# KiCad board Kristerj.kicad_pcb
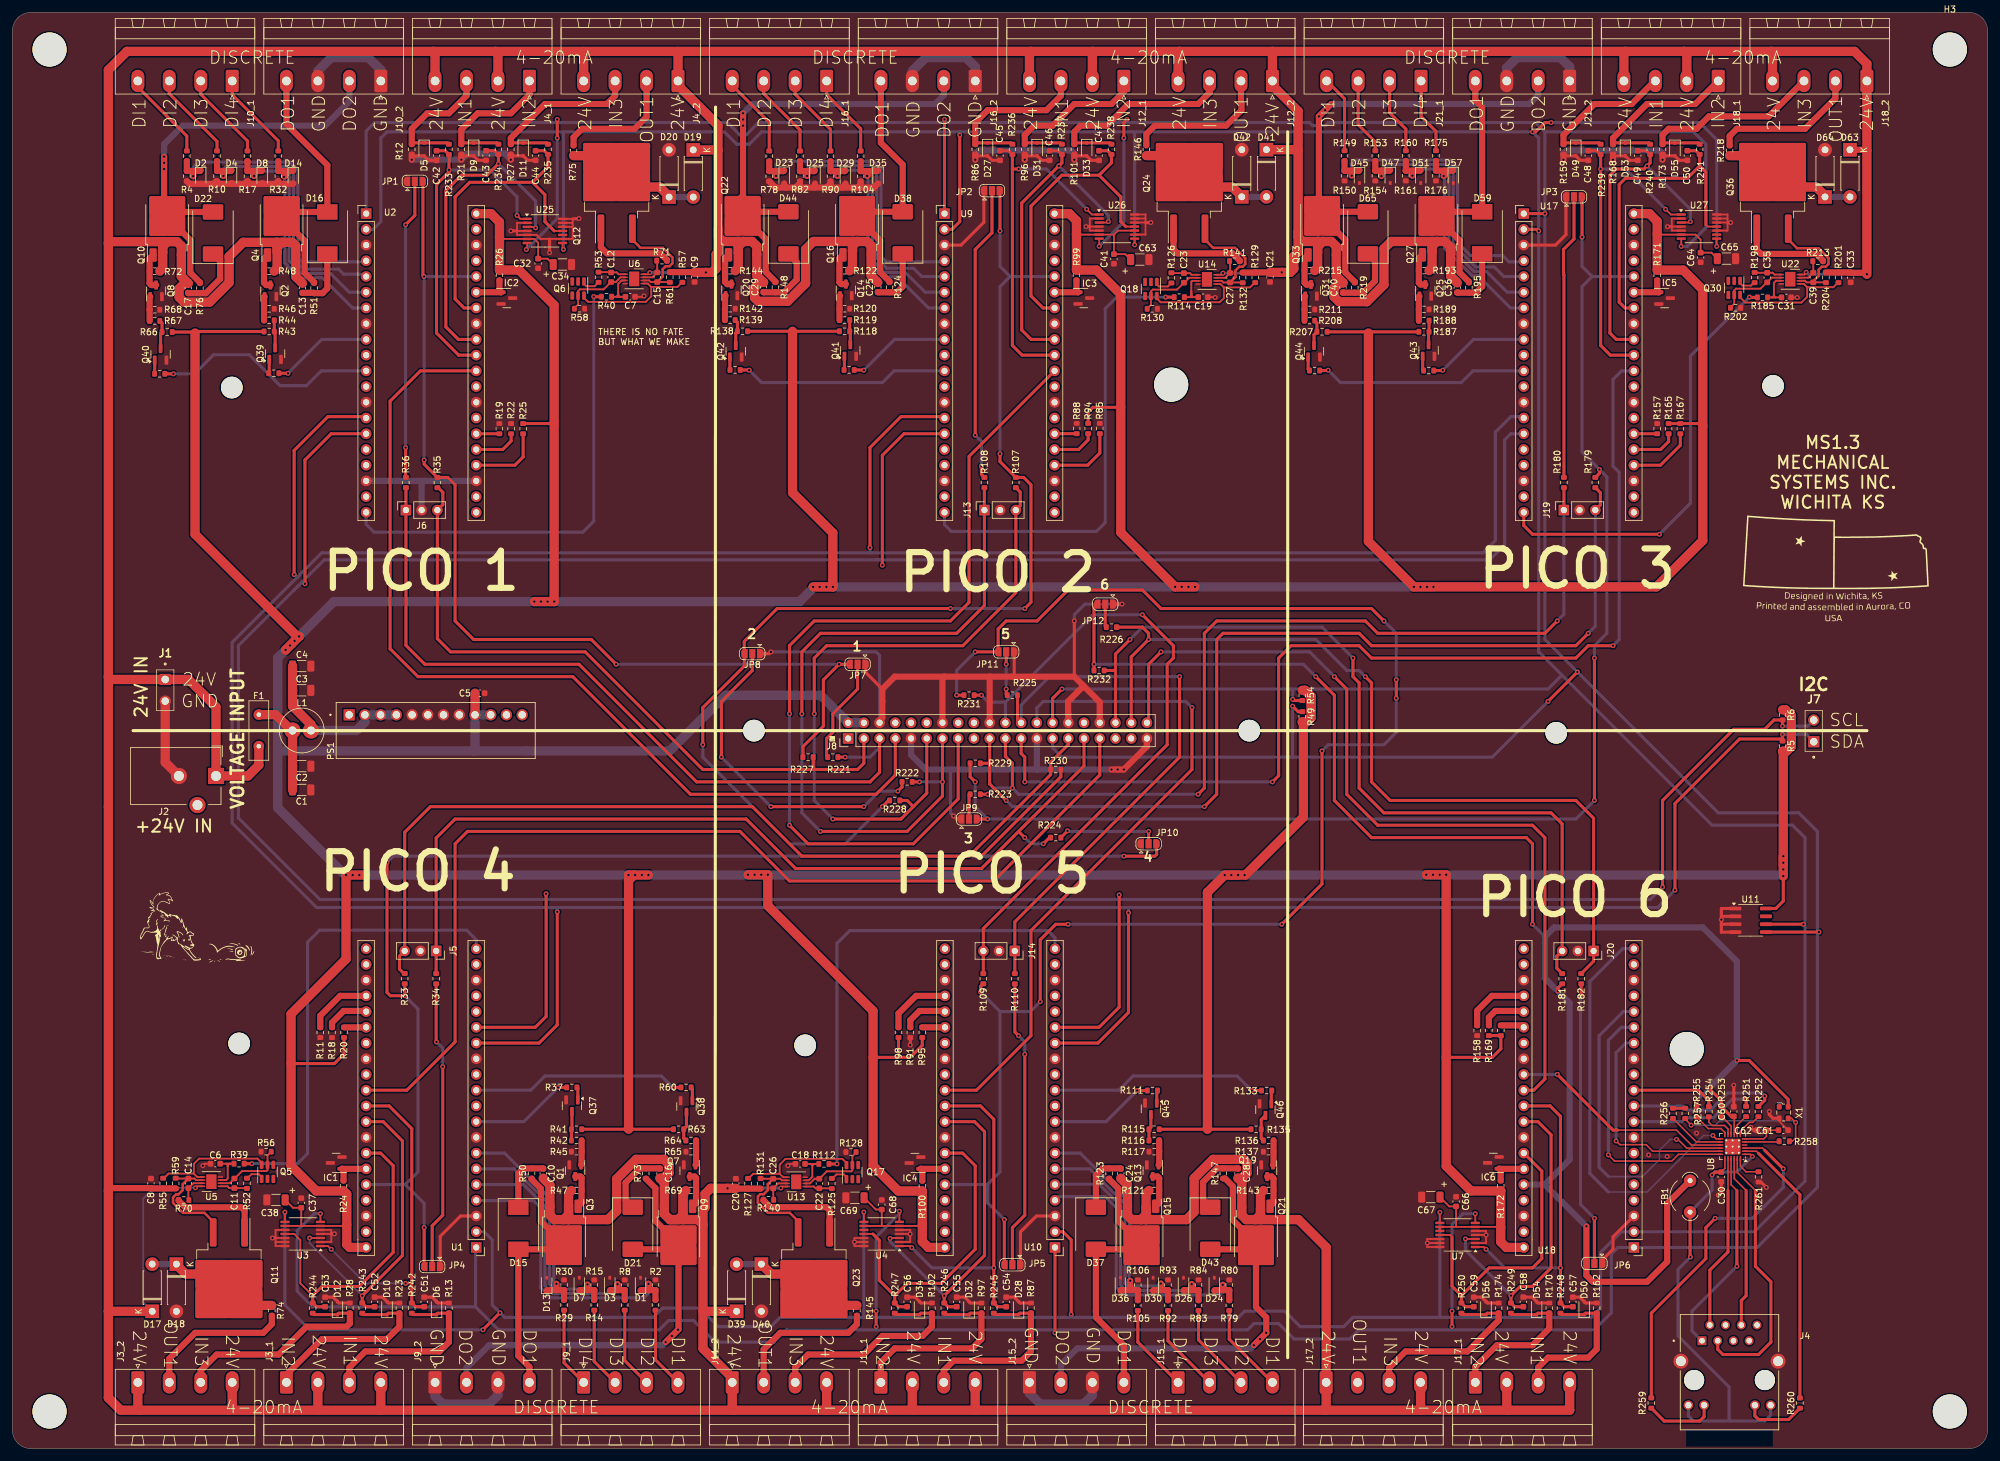
[diagram p0: board, top side]
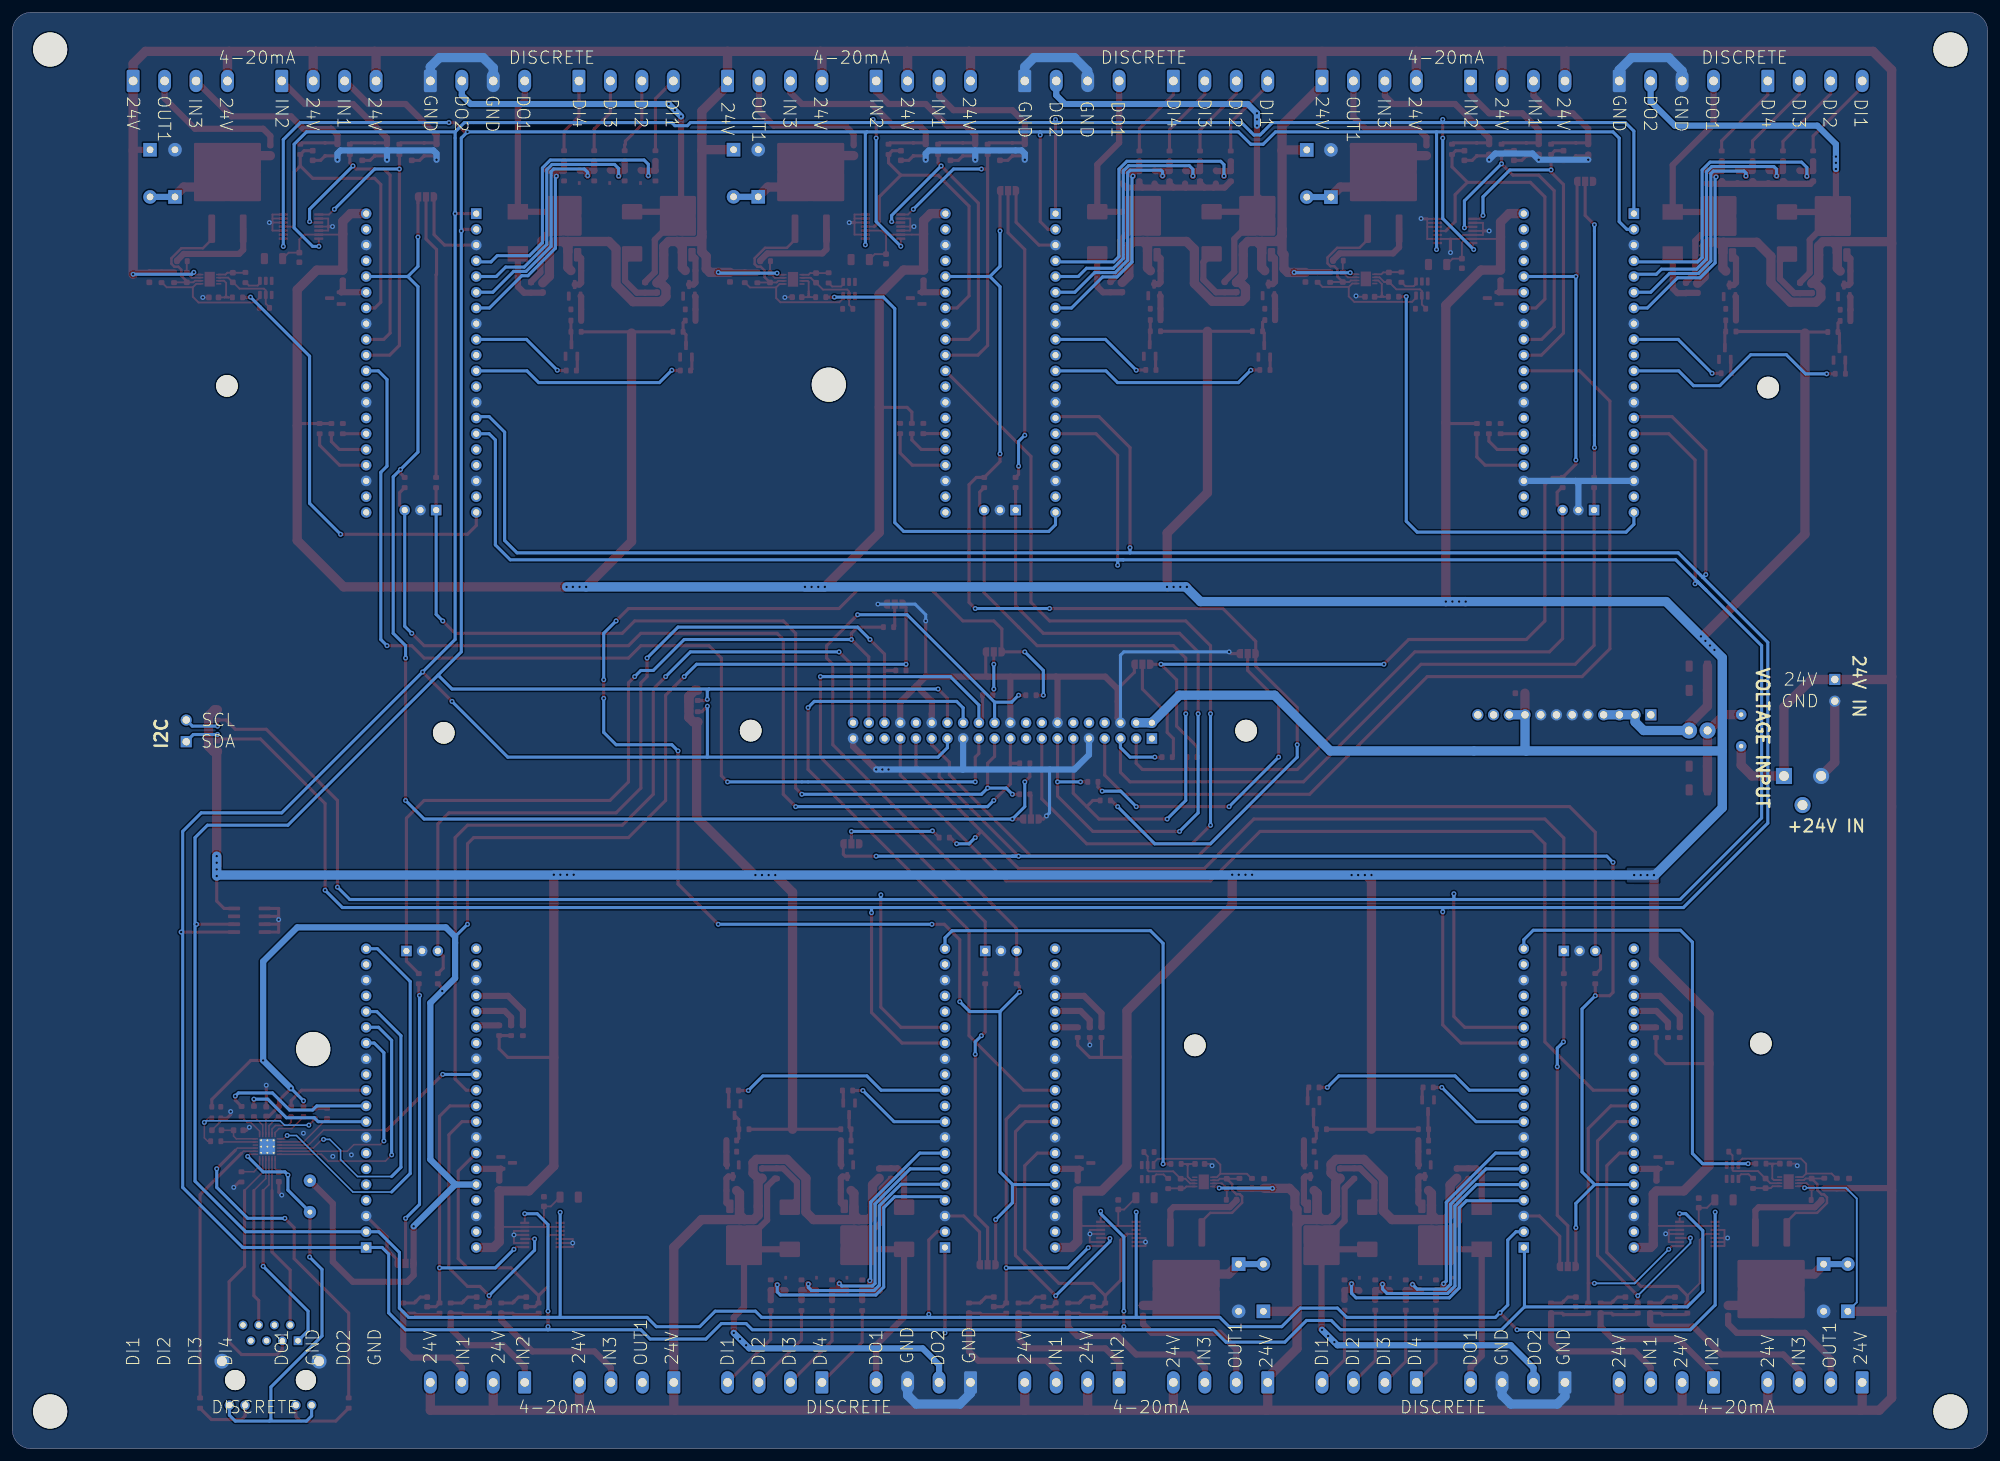
[diagram p1: board, bottom side, seen from below]

Outline 319 x 232 mm; copper layers: Top, Bottom. Coordinates in mm from the lower left corner of the outline.
Outline path: 0,229 0,3 arc(0.88,0.88) 3,0 316,0 arc(318.12,0.88) 319,3 319,229 arc(318.12,231.12) 316,232 3,232 arc(0.88,231.12) 0,229
Stack: Top 0.035mm / dielectric 1.51mm FR4 er 4.5 / Bottom 0.035mm

## Placement (name value [footprint] x y rotation side)
C1  47uF  [C_1206_3216Metric]  46.72 106.41 180 top
C2  47uF  [C_1206_3216Metric]  46.72 110.24 180 top
C3  47uF  [C_1206_3216Metric]  46.72 122.48 180 top
C4  47uF  [C_1206_3216Metric]  46.72 126.41 180 top
C5  22uF  [C_0603_1608Metric]  75.5 122.02 180 top
C6  100nF  [C_0603_1608Metric]  32.78 46.02 180 top
C7  100nF  [C_0603_1608Metric]  99.78 186.06 0 top
C8  1uF  [C_0603_1608Metric]  22.38 42.85 90 top
C9  1uF  [C_0603_1608Metric]  110.18 189.22 270 top
C10  0.01uF  [C_0603_1608Metric]  85.73 44.45 270 top
C11  220pF  [C_0603_1608Metric]  35.86 42.85 90 top
C12  220pF  [C_0603_1608Metric]  96.69 189.22 270 top
C13  0.01uF  [C_0603_1608Metric]  46.84 187.47 90 top
C14  220pF  [C_0603_1608Metric]  28.42 42.85 270 top
C15  220pF  [C_0603_1608Metric]  104.13 189.22 90 top
C16  0.01uF  [C_0603_1608Metric]  104.59 44.45 270 top
C17  0.01uF  [C_0603_1608Metric]  28.38 187.46 90 top
C18  100nF  [C_0603_1608Metric]  127.23 45.99 180 top
C19  100nF  [C_0603_1608Metric]  192.29 186 0 top
C20  1uF  [C_0603_1608Metric]  116.84 42.82 90 top
C21  1uF  [C_0603_1608Metric]  203.11 189.23 270 top
C22  220pF  [C_0603_1608Metric]  130.31 42.82 90 top
C23  220pF  [C_0603_1608Metric]  189.2 189.11 270 top
C24  0.01uF  [C_0603_1608Metric]  179 44.45 270 top
C25  0.01uF  [C_0603_1608Metric]  139.77 187.6 90 top
C26  220pF  [C_0603_1608Metric]  122.88 42.82 270 top
C27  220pF  [C_0603_1608Metric]  196.64 189.14 90 top
C28  0.01uF  [C_0603_1608Metric]  197.94 44.45 270 top
C29  0.01uF  [C_0603_1608Metric]  121.31 187.6 90 top
C30  .022uF  [C_0603_1608Metric]  275.97 43.89 90 top
C31  100nF  [C_0603_1608Metric]  286.49 185.96 0 top
C32  100nF  [C_0603_1608Metric]  84.91 191.44 270 top
C33  1uF  [C_0603_1608Metric]  296.88 189.17 270 top
C34  C_Polarized_US  [C_1206_3216Metric]  88.82 191.27 0 top
C35  220pF  [C_0603_1608Metric]  283.4 189.17 270 top
C36  0.01uF  [C_0603_1608Metric]  233.35 187.54 90 top
C37  100nF  [C_0603_1608Metric]  46.66 39.69 90 top
C38  C_Polarized_US  [C_1206_3216Metric]  42.57 40.18 180 top
C39  220pF  [C_0603_1608Metric]  290.84 189.17 90 top
C40  0.01uF  [C_0603_1608Metric]  214.9 187.54 90 top
C41  100nF  [C_0603_1608Metric]  177.9 192.17 270 top
C42  100nF  [C_0603_1608Metric]  68.5 208.88 270 top
C43  100nF  [C_0603_1608Metric]  76.5 208.88 270 top
C44  100nF  [C_0603_1608Metric]  84.5 208.88 270 top
C45  100nF  [C_0603_1608Metric]  159.5 208.88 270 top
C46  100nF  [C_0603_1608Metric]  167.5 208.88 270 top
C47  100nF  [C_0603_1608Metric]  175.5 208.88 270 top
C48  100nF  [C_0603_1608Metric]  254.5 208.88 270 top
C49  100nF  [C_0603_1608Metric]  262.5 208.88 270 top
C50  100nF  [C_0603_1608Metric]  270.5 208.88 270 top
C51  100nF  [C_0603_1608Metric]  66.5 23.7 90 top
C52  100nF  [C_0603_1608Metric]  58.5 23.7 90 top
C53  100nF  [C_0603_1608Metric]  50.5 23.7 90 top
C54  100nF  [C_0603_1608Metric]  160.5 23.7 90 top
C55  100nF  [C_0603_1608Metric]  152.5 23.7 90 top
C56  100nF  [C_0603_1608Metric]  144.5 23.7 90 top
C57  100nF  [C_0603_1608Metric]  252.01 23.7 90 top
C58  100nF  [C_0603_1608Metric]  244.01 23.7 90 top
C59  100nF  [C_0603_1608Metric]  236.01 23.7 90 top
C60  100nF  [C_0603_1608Metric]  278 54.44 90 top
C61  1uF  [C_0603_1608Metric]  286 51.44 0 top
C62  470pF  [C_0603_1608Metric]  282.5 51.43 0 top
C63  T491A106K010AT  [C_1206_3216Metric]  182.07 192.07 0 top
C64  100nF  [C_0603_1608Metric]  272.65 192.41 270 top
C65  T491A106K010AT  [C_1206_3216Metric]  276.82 192.22 0 top
C66  100nF  [C_0603_1608Metric]  233.15 39.9 90 top
C67  T491A106K010AT  [C_1206_3216Metric]  229.07 40.62 180 top
C68  100nF  [C_0603_1608Metric]  140.4 39.39 90 top
C69  T491A106K010AT  [C_1206_3216Metric]  136.07 40.52 180 top
D1  3.9V  [D_SOD-323]  101.45 26.55 90 top
D2  3.9V  [D_SOD-323]  30.41 205.44 270 top
D3  3.9V  [D_SOD-323]  96.48 26.55 90 top
D4  3.9V  [D_SOD-323]  35.39 205.44 270 top
D5  3.9V  [D_SOD-323]  66.5 209.88 270 top
D6  3.9V  [D_SOD-323]  68.5 22.7 90 top
D7  3.9V  [D_SOD-323]  91.56 26.55 90 top
D8  3.9V  [D_SOD-323]  40.34 205.44 270 top
D9  3.9V  [D_SOD-323]  74.5 209.88 270 top
D10  3.9V  [D_SOD-323]  60.5 22.7 90 top
D11  3.9V  [D_SOD-323]  82.5 209.88 270 top
D12  3.9V  [D_SOD-323]  52.5 22.7 90 top
D13  3.9V  [D_SOD-323]  86.28 26.55 90 top
D14  3.9V  [D_SOD-323]  45.37 205.44 270 top
D15  5A  [D_SMC]  81.71 35.59 270 top
D16  5A  [D_SMC]  50.86 196.36 90 top
D17  D  [D_DO-41_SOD81_P7.62mm_Horizontal]  22.58 22.18 90 top
D18  D  [D_DO-41_SOD81_P7.62mm_Horizontal]  26.49 29.8 270 top
D19  D  [D_DO-41_SOD81_P7.62mm_Horizontal]  109.96 209.78 270 top
D20  D  [D_DO-41_SOD81_P7.62mm_Horizontal]  106.06 202.17 90 top
D21  5A  [D_SMC#2]  100.19 35.59 270 top
D22  5A  [D_SMC#2]  32.4 196.36 90 top
D23  3.9V  [D_SOD-323#2]  124.64 205.41 270 top
D24  3.9V  [D_SOD-323#2]  194.11 26.56 90 top
D25  3.9V  [D_SOD-323#2]  129.62 205.41 270 top
D26  3.9V  [D_SOD-323#2]  189.14 26.56 90 top
D27  3.9V  [D_SOD-323#2]  157.5 209.88 270 top
D28  3.9V  [D_SOD-323#2]  162.5 22.7 90 top
D29  3.9V  [D_SOD-323#2]  134.53 205.41 270 top
D30  3.9V  [D_SOD-323#2]  184.23 26.56 90 top
D31  3.9V  [D_SOD-323#2]  165.5 209.88 270 top
D32  3.9V  [D_SOD-323#2]  154.5 22.7 90 top
D33  3.9V  [D_SOD-323#2]  173.5 209.88 270 top
D34  3.9V  [D_SOD-323#2]  146.5 22.7 90 top
D35  3.9V  [D_SOD-323#2]  139.81 205.41 270 top
D36  3.9V  [D_SOD-323#2]  178.95 26.56 90 top
D37  5A  [D_SMC#2]  174.99 35.59 270 top
D38  5A  [D_SMC#2]  143.79 196.39 90 top
D39  D  [D_DO-41_SOD81_P7.62mm_Horizontal]  116.96 22.18 90 top
D40  D  [D_DO-41_SOD81_P7.62mm_Horizontal]  120.96 29.8 270 top
D41  D  [D_DO-41_SOD81_P7.62mm_Horizontal]  202.53 209.82 270 top
D42  D  [D_DO-41_SOD81_P7.62mm_Horizontal]  198.55 202.2 90 top
D43  5A  [D_SMC#2]  193.45 35.59 270 top
D44  5A  [D_SMC#2]  125.33 196.39 90 top
D45  3.9V  [D_SOD-323]  217.56 205.48 270 top
D47  3.9V  [D_SOD-323]  222.53 205.48 270 top
D49  3.9V  [D_SOD-323]  252.5 209.88 270 top
D50  3.9V  [D_SOD-323]  253.85 22.7 90 top
D51  3.9V  [D_SOD-323]  227.44 205.48 270 top
D53  3.9V  [D_SOD-323]  260.5 209.88 270 top
D54  3.9V  [D_SOD-323]  246.17 22.7 90 top
D55  3.9V  [D_SOD-323]  268.5 209.88 270 top
D56  3.9V  [D_SOD-323]  237.99 22.7 90 top
D57  3.9V  [D_SOD-323]  232.71 205.48 270 top
D59  5A  [D_SMC]  237.37 196.39 90 top
D63  D  [D_DO-41_SOD81_P7.62mm_Horizontal]  296.77 209.81 270 top
D64  D  [D_DO-41_SOD81_P7.62mm_Horizontal]  292.74 202.19 90 top
D65  5A  [D_SMC#2]  218.92 196.39 90 top
F1  3A  [Fuse_Bourns_MF-RHT200]  39.8 113.46 90 top
FB1  28C0236-0JW-10  [LairdTech_28C0236-0JW-10]  270.95 38.2 90 top
G***  LOGO  [watermark]  294.5 142.2 0 top
G***#2  LOGO  [dog]  29.5 84.7 0 top
H1  MountingHole  [MountingHole_5.5mm]  6 6 0 top
H2  MountingHole  [MountingHole_3.5mm]  36.62 65.44 0 top
H3  MountingHole  [MountingHole_5.5mm]  312.9 226 0 top
H4  MountingHole  [MountingHole_5.5mm]  270.41 64.54 0 top
H5  MountingHole  [MountingHole_5.5mm]  6 226 0 top
H6  MountingHole  [MountingHole_3.5mm]  199.76 115.98 0 top
H7  MountingHole  [MountingHole_3.5mm]  284.35 171.66 0 top
H8  MountingHole  [MountingHole_5.5mm]  187.15 171.86 0 top
H9  MountingHole  [MountingHole_3.5mm]  35.44 171.4 0 top
H10  MountingHole  [MountingHole_3.5mm]  119.76 115.98 0 top
H11  MountingHole  [MountingHole_5.5mm]  312.9 6 0 top
H12  MountingHole  [MountingHole_3.5mm]  128.03 65.14 0 top
H13  MountingHole  [MountingHole_3.5mm]  249.33 115.62 0 top
IC1  LM4040C30FTA  [SOT-23]  52.29 46.15 180 top
IC2  LM4040C30FTA  [SOT-23]  79.86 185.85 0 top
IC3  LM4040C30FTA  [SOT-23]  173.04 185.85 0 top
IC4  LM4040C30FTA  [SOT-23]  145.77 46.14 180 top
IC5  LM4040C30FTA  [SOT-23]  266.83 185.84 0 top
IC6  LM4040C30FTA  [SOT-23]  239.18 46.16 180 top
J1  24V IN  [1945096]  24.69 124.24 270 top
J2  +24V IN  [BarrelJack_CUI_PJ-102AH_Horizontal]  32.89 108.66 270 top
J3_1  Screw_Terminal_01x04  [PhoenixContact_MSTBA_2,5_4-G-5,08_1x04_P5.08mm_Horizontal]  44.26 10.7 0 top
J3_2  Screw_Terminal_01x04  [PhoenixContact_MSTBA_2,5_4-G-5,08_1x04_P5.08mm_Horizontal]  20.26 10.7 0 top
J4  5-2301994-9  [TE_5-2301994-9]  277.31 11.07 0 top
J4_1  Screw_Terminal_01x04  [PhoenixContact_MSTBA_2,5_4-G-5,08_1x04_P5.08mm_Horizontal]  83.5 220.92 180 top
J4_2  Screw_Terminal_01x04  [PhoenixContact_MSTBA_2,5_4-G-5,08_1x04_P5.08mm_Horizontal]  107.5 220.92 180 top
J5  Conn_01x03  [PinSocket_1x03_P2.54mm_Vertical]  68.44 80.39 270 top
J6  Conn_01x03  [PinSocket_1x03_P2.54mm_Vertical]  63.56 151.6 90 top
J7  Conn_01x02  [1945096]  290.92 114.19 90 top
J8  Conn_02x20_Odd_Even  [PinHeader_2x20_P2.54mm_Vertical]  134.97 114.71 90 top
J9_1  Screw_Terminal_01x04  [PhoenixContact_MSTBA_2,5_4-G-5,08_1x04_P5.08mm_Horizontal]  92.26 10.7 0 top
J9_2  Screw_Terminal_01x04  [PhoenixContact_MSTBA_2,5_4-G-5,08_1x04_P5.08mm_Horizontal]  68.26 10.7 0 top
J10_1  Screw_Terminal_01x04  [PhoenixContact_MSTBA_2,5_4-G-5,08_1x04_P5.08mm_Horizontal]  35.5 220.92 180 top
J10_2  Screw_Terminal_01x04  [PhoenixContact_MSTBA_2,5_4-G-5,08_1x04_P5.08mm_Horizontal]  59.5 220.92 180 top
J11_1  Screw_Terminal_01x04  [PhoenixContact_MSTBA_2,5_4-G-5,08_1x04_P5.08mm_Horizontal]  140.26 10.7 0 top
J11_2  Screw_Terminal_01x04  [PhoenixContact_MSTBA_2,5_4-G-5,08_1x04_P5.08mm_Horizontal]  116.26 10.7 0 top
J12_1  Screw_Terminal_01x04  [PhoenixContact_MSTBA_2,5_4-G-5,08_1x04_P5.08mm_Horizontal]  179.5 220.92 180 top
J12_2  Screw_Terminal_01x04  [PhoenixContact_MSTBA_2,5_4-G-5,08_1x04_P5.08mm_Horizontal]  203.5 220.92 180 top
J13  Conn_01x03  [PinSocket_1x03_P2.54mm_Vertical]  156.98 151.6 90 top
J14  Conn_01x03  [PinSocket_1x03_P2.54mm_Vertical]  161.89 80.39 270 top
J15_1  Screw_Terminal_01x04  [PhoenixContact_MSTBA_2,5_4-G-5,08_1x04_P5.08mm_Horizontal]  188.26 10.7 0 top
J15_2  Screw_Terminal_01x04  [PhoenixContact_MSTBA_2,5_4-G-5,08_1x04_P5.08mm_Horizontal]  164.26 10.7 0 top
J16_1  Screw_Terminal_01x04  [PhoenixContact_MSTBA_2,5_4-G-5,08_1x04_P5.08mm_Horizontal]  131.5 220.92 180 top
J16_2  Screw_Terminal_01x04  [PhoenixContact_MSTBA_2,5_4-G-5,08_1x04_P5.08mm_Horizontal]  155.5 220.92 180 top
J17_1  Screw_Terminal_01x04  [PhoenixContact_MSTBA_2,5_4-G-5,08_1x04_P5.08mm_Horizontal]  236.26 10.7 0 top
J17_2  Screw_Terminal_01x04  [PhoenixContact_MSTBA_2,5_4-G-5,08_1x04_P5.08mm_Horizontal]  212.18 10.7 0 top
J18_1  Screw_Terminal_01x04  [PhoenixContact_MSTBA_2,5_4-G-5,08_1x04_P5.08mm_Horizontal]  275.5 220.92 180 top
J18_2  Screw_Terminal_01x04  [PhoenixContact_MSTBA_2,5_4-G-5,08_1x04_P5.08mm_Horizontal]  299.5 220.92 180 top
J19  Conn_01x03  [PinSocket_1x03_P2.54mm_Vertical]  250.56 151.6 90 top
J20  Conn_01x03  [PinSocket_1x03_P2.54mm_Vertical]  255.37 80.38 270 top
J21_1  Screw_Terminal_01x04  [PhoenixContact_MSTBA_2,5_4-G-5,08_1x04_P5.08mm_Horizontal]  227.5 220.92 180 top
J21_2  Screw_Terminal_01x04  [PhoenixContact_MSTBA_2,5_4-G-5,08_1x04_P5.08mm_Horizontal]  251.5 220.92 180 top
JP1  SolderJumper_3_Open  [SolderJumper-3_P1.3mm_Open_RoundedPad1.0x1.5mm]  65 204.7 0 top
JP2  SolderJumper_3_Open  [SolderJumper-3_P1.3mm_Open_RoundedPad1.0x1.5mm]  158.2 203.2 0 top
JP3  SolderJumper_3_Open  [SolderJumper-3_P1.3mm_Open_RoundedPad1.0x1.5mm]  252.2 202.2 0 top
JP4  SolderJumper_3_Open  [SolderJumper-3_P1.3mm_Open_RoundedPad1.0x1.5mm]  67.8 29.41 180 top
JP5  SolderJumper_3_Open  [SolderJumper-3_P1.3mm_Open_RoundedPad1.0x1.5mm]  161.5 29.7 180 top
JP6  SolderJumper_3_Open  [SolderJumper-3_P1.3mm_Open_RoundedPad1.0x1.5mm]  255.5 29.91 180 top
JP7  SolderJumper_3_Open  [SolderJumper-3_P1.3mm_Open_RoundedPad1.0x1.5mm]  136.5 126.7 180 top
JP8  SolderJumper_3_Open  [SolderJumper-3_P1.3mm_Open_RoundedPad1.0x1.5mm]  119.5 128.41 180 top
JP9  SolderJumper_3_Open  [SolderJumper-3_P1.3mm_Open_RoundedPad1.0x1.5mm]  154.5 101.7 0 top
JP10  SolderJumper_3_Open  [SolderJumper-3_P1.3mm_Open_RoundedPad1.0x1.5mm]  183.5 97.7 0 top
JP11  SolderJumper_3_Open  [SolderJumper-3_P1.3mm_Open_RoundedPad1.0x1.5mm]  160.5 128.7 180 top
JP12  SolderJumper_3_Open  [SolderJumper-3_P1.3mm_Open_RoundedPad1.0x1.5mm]  176.5 136.41 180 top
L1  22uH  [L_Radial_D7.0mm_P3.00mm]  45.22 116 0 top
PS1  K7805-3AR3  [CONV_K7805-3AR3]  68.36 115.98 0 top
Q1  DMN10H220L  [SOT-23]  90.89 44.89 270 top
Q2  DMN10H220L  [SOT-23]  41.68 187.02 90 top
Q3  RD3P130S  [TO-252-2]  89.09 34.1 270 top
Q4  RD3P130S  [TO-252-2]  43.48 197.85 90 top
Q5  NDC7002N  [SOT-23-6]  41.2 44.71 90 top
Q6  NDC7002N  [SOT-23-6]  91.37 187.39 270 top
Q7  DMN10H220L  [SOT-23]  109.38 44.89 270 top
Q8  DMN10H220L  [SOT-23]  23.21 187.02 90 top
Q9  RD3P130S  [TO-252-2]  107.57 34.1 270 top
Q10  RD3P130S  [TO-252-2]  25 197.85 90 top
Q11  IRF9Z24S  [TO-263-2]  34.97 27.28 270 top
Q12  IRF9Z24S  [TO-263-2]  97.59 204.71 90 top
Q13  DMN10H220L  [SOT-23]  184.17 44.89 270 top
Q14  DMN10H220L  [SOT-23]  134.61 187.17 90 top
Q15  RD3P130S  [TO-252-2]  182.37 34.1 270 top
Q16  RD3P130S  [TO-252-2]  136.41 197.88 90 top
Q17  NDC7002N  [SOT-23-6]  135.65 44.66 90 top
Q18  NDC7002N  [SOT-23-6]  183.88 187.32 270 top
Q19  DMN10H220L  [SOT-23]  202.64 44.89 270 top
Q20  DMN10H220L  [SOT-23]  116.13 187.17 90 top
Q21  RD3P130S  [TO-252-2]  200.84 34.1 270 top
Q22  RD3P130S  [TO-252-2]  117.94 197.88 90 top
Q23  IRF9Z24S  [TO-263-2]  129.44 27.28 270 top
Q24  IRF9Z24S  [TO-263-2]  190.07 204.71 90 top
Q25  DMN10H220L  [SOT-23]  228.19 187.1 90 top
Q27  RD3P130S  [TO-252-2]  229.99 197.88 90 top
Q30  NDC7002N  [SOT-23-6]  278.07 187.49 270 top
Q31  DMN10H220L  [SOT-23]  209.73 187.1 90 top
Q33  RD3P130S  [TO-252-2]  211.52 197.88 90 top
Q36  IRF9Z24S  [TO-263-2]  284.26 204.71 90 top
Q37  MMBT3904  [SOT-23]  90.37 55.39 270 top
Q38  MMBT3904  [SOT-23]  108.87 55.26 270 top
Q39  MMBT3904  [SOT-23]  42.43 176.89 90 top
Q40  MMBT3904  [SOT-23]  23.93 176.76 90 top
Q41  MMBT3904  [SOT-23]  135.32 177.39 90 top
Q42  MMBT3904  [SOT-23]  116.82 177.26 90 top
Q43  MMBT3904  [SOT-23]  228.71 177.39 90 top
Q44  MMBT3904  [SOT-23]  210.21 177.26 90 top
Q45  MMBT3904  [SOT-23]  183.87 54.89 270 top
Q46  MMBT3904  [SOT-23]  202.37 54.76 270 top
R1  68K  [R_0603_1608Metric]  103.86 23.19 90 top
R2  10K  [R_0603_1608Metric]  103.86 26.43 90 top
R3  68K  [R_0603_1608Metric]  28.18 208.8 270 top
R4  10K  [R_0603_1608Metric]  28.18 205.56 270 top
R5  5.1K  [R_0603_1608Metric]  285.88 113.47 270 top
R6  5.1K  [R_0603_1608Metric]  285.88 118.52 90 top
R7  68K  [R_0603_1608Metric]  98.9 23.19 90 top
R8  10K  [R_0603_1608Metric]  98.9 26.43 90 top
R9  68K  [R_0603_1608Metric]  33.05 208.8 270 top
R10  10K  [R_0603_1608Metric]  33.05 205.56 270 top
R11  10K  [R_0603_1608Metric]  49.72 67.22 90 top
R12  150  [R_0603_1608Metric]  64.5 209.88 90 top
R13  150  [R_0603_1608Metric]  70.5 22.7 270 top
R14  68K  [R_0603_1608Metric]  93.97 23.19 90 top
R15  10K  [R_0603_1608Metric]  93.97 26.43 90 top
R16  68K  [R_0603_1608Metric]  37.97 208.8 270 top
R17  10K  [R_0603_1608Metric]  37.97 205.56 270 top
R18  10K  [R_0603_1608Metric]  51.62 67.22 90 top
R19  10K  [R_0603_1608Metric]  78.65 164.76 270 top
R20  10K  [R_0603_1608Metric]  53.56 67.22 270 top
R21  150  [R_0603_1608Metric]  72.5 209.88 90 top
R22  10K  [R_0603_1608Metric]  80.54 164.76 270 top
R23  150  [R_0603_1608Metric]  62.5 22.7 270 top
R24  1K  [R_0603_1608Metric]  53.48 42.45 90 top
R25  10K  [R_0603_1608Metric]  82.49 164.76 90 top
R26  1K  [R_0603_1608Metric]  78.66 189.55 270 top
R27  150  [R_0603_1608Metric]  80.5 209.88 90 top
R28  150  [R_0603_1608Metric]  54.5 22.7 270 top
R29  68K  [R_0603_1608Metric]  89.09 23.19 90 top
R30  10K  [R_0603_1608Metric]  89.09 26.43 90 top
R31  68K  [R_0603_1608Metric]  42.95 208.8 270 top
R32  10K  [R_0603_1608Metric]  42.95 205.56 270 top
R33  10K  [R_0603_1608Metric]  63.37 75.92 270 top
R34  10K  [R_0603_1608Metric]  68.44 75.91 90 top
R35  10K  [R_0603_1608Metric]  68.63 156.05 90 top
R36  10K  [R_0603_1608Metric]  63.56 156.05 270 top
R37  1K  [R_0603_1608Metric]  90.34 58.34 0 top
R38  1K  [R_0603_1608Metric]  42.22 173.7 180 top
R39  16K  [R_0603_1608Metric]  36.61 46.02 0 top
R40  16K  [R_0603_1608Metric]  95.94 186.07 180 top
R41  3.3K  [R_0603_1608Metric]  91.11 51.59 0 top
R42  150  [R_0603_1608Metric]  91.11 49.77 180 top
R43  3.3K  [R_0603_1608Metric]  41.47 180.45 180 top
R44  150  [R_0603_1608Metric]  41.47 182.25 0 top
R45  100K  [R_0603_1608Metric]  91.11 47.96 0 top
R46  100K  [R_0603_1608Metric]  41.47 184.1 180 top
R47  10K  [R_0603_1608Metric]  91.11 41.7 180 top
R48  10K  [R_0603_1608Metric]  41.46 190.2 0 top
R49  5.1K  [R_0603_1608Metric]  208.31 118.21 270 top
R50  100  [R_0603_1608Metric]  83.84 44.45 90 top
R51  100  [R_0603_1608Metric]  48.72 187.47 270 top
R52  100  [R_0603_1608Metric]  37.88 42.85 270 top
R53  100  [R_0603_1608Metric]  94.67 189.22 90 top
R54  5.1K  [R_0603_1608Metric]  208.31 121.67 90 top
R55  10K  [R_0603_1608Metric]  24.35 42.85 270 top
R56  6.2K  [R_0603_1608Metric]  40.98 47.97 0 top
R57  10K  [R_0603_1608Metric]  108.21 189.22 90 top
R58  6.2K  [R_0603_1608Metric]  91.59 184.13 180 top
R59  249  [R_0603_1608Metric]  26.38 42.85 270 top
R60  1K  [R_0603_1608Metric]  108.79 58.34 0 top
R61  249  [R_0603_1608Metric]  106.18 189.22 90 top
R62  1K  [R_0603_1608Metric]  23.79 173.61 180 top
R63  3.3K  [R_0603_1608Metric]  107.59 51.59 180 top
R64  150  [R_0603_1608Metric]  109.59 49.77 180 top
R65  100K  [R_0603_1608Metric]  109.59 47.96 0 top
R66  3.3K  [R_0603_1608Metric]  24.99 180.36 0 top
R67  150  [R_0603_1608Metric]  22.99 182.16 0 top
R68  100K  [R_0603_1608Metric]  22.99 183.96 180 top
R69  10K  [R_0603_1608Metric]  109.59 41.7 180 top
R70  100  [R_0603_1608Metric]  27.67 40.16 0 top
R71  100  [R_0603_1608Metric]  104.88 191.89 180 top
R72  10K  [R_0603_1608Metric]  22.99 190.2 0 top
R73  100  [R_0603_1608Metric]  102.29 44.45 90 top
R74  22.1  [R_0603_1608Metric]  41.9 22.31 270 top
R75  22.1  [R_0603_1608Metric]  90.63 209.68 90 top
R76  100  [R_0603_1608Metric]  30.29 187.46 270 top
R77  68K  [R_0603_1608Metric]  122.23 208.78 270 top
R78  10K  [R_0603_1608Metric]  122.23 205.53 270 top
R79  68K  [R_0603_1608Metric]  196.52 23.13 90 top
R80  10K  [R_0603_1608Metric]  196.52 26.44 90 top